# Allegro board AM335x_ICE_3H0013_PCB_REV_2_1A.brd (continued)
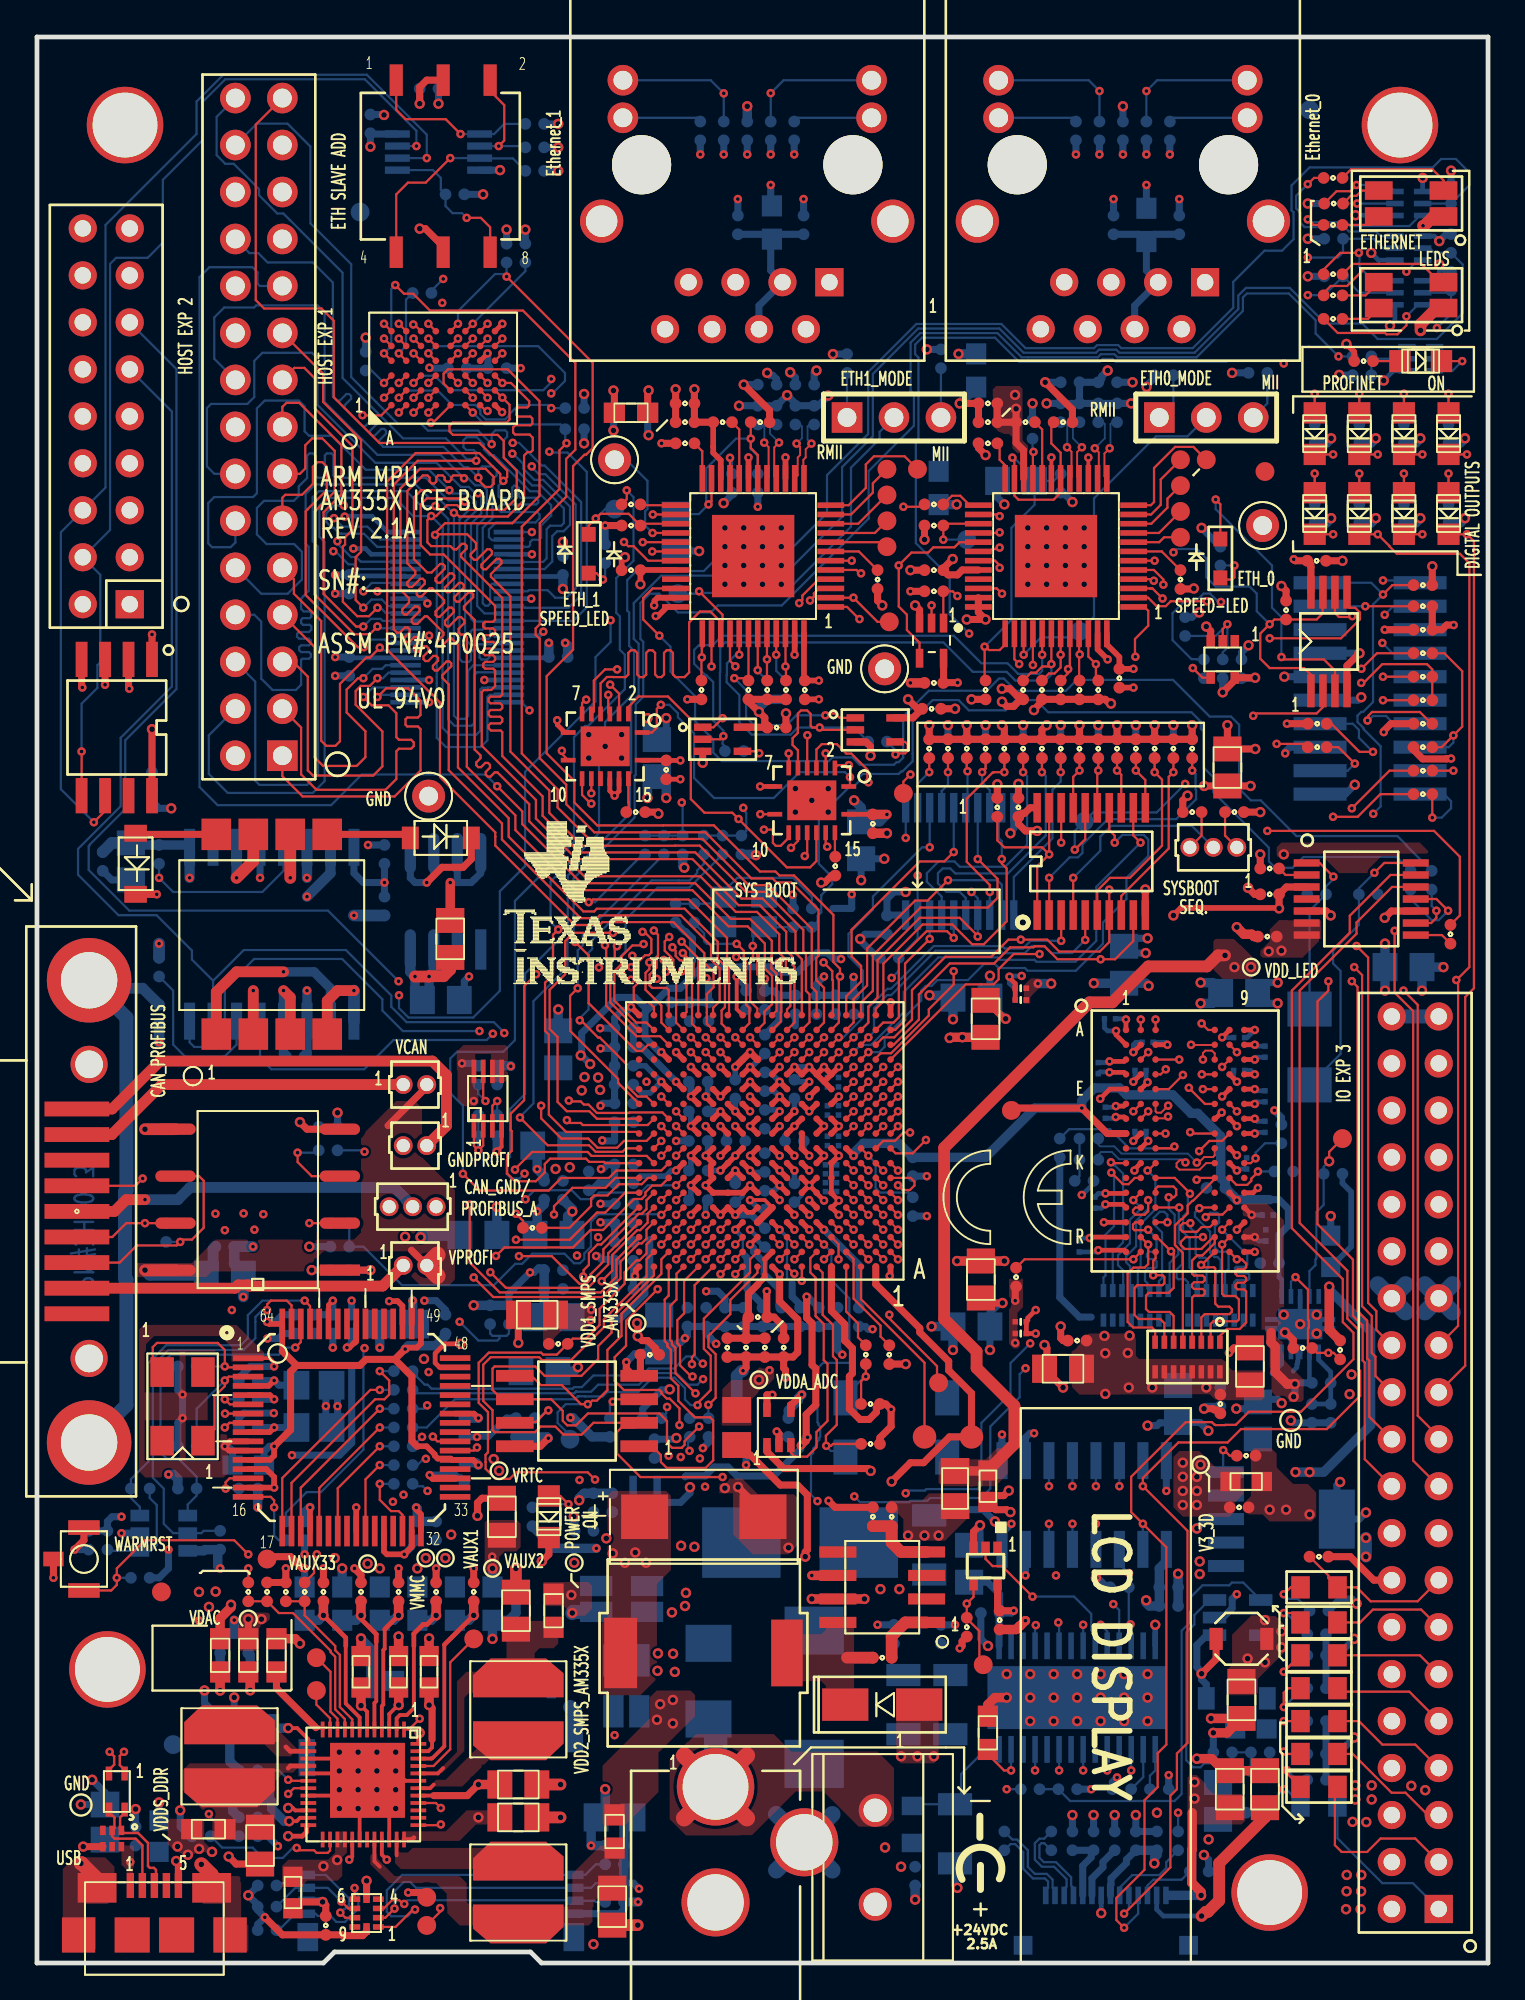
[diagram p0: board, top side]
## Routing (per net, layer and track width the routed paths; a pad name or vN(x,y) marks a point on that pad's centre or on a via; arc(x,y) is an arc through that point) (continued)
PGOOD_VTT: length 9.3
  TOP w0.121: TP22.1 69.89,43.86 v2(69.89,43.35)
  BOTTOM w0.121: v2(69.89,43.35) 69.6,43.05 R184.1 69.6,40.99 69.2,40.6 69.2,38.1 69.15,38.04 69.15,37.74 68.83,37.41 U29.9
PH: length 1.4
  TOP w0.635: C56.2 43.81,16.51
PMIC_I2C_SCL: length 10.1
  TOP w0.121: U22.9 16.65,13.19 16.13,13.72 16.13,16.56 15.88,16.81 15.88,16.88 13.84,18.92 13.08,18.92 R70.1 R69.1
PMIC_I2C_SDA: length 9
  TOP w0.121: R71.1 R72.1 14.48,18.8 16.13,17.14 16.13,16.91 16.38,16.66 16.38,13.84 17.05,13.17 U22.8
PMIC_INTN: length 8.6
  TOP w0.121: U22.45 21.45,10.65 22.35,11.56 22.35,16.26 TP27.1
PMIC_PWR_EN: length 48.6
  TOP w0.121: U22.1 20.12,12.63 v1(20.7,13.21) ; v1(42.57,38.85) U14.C6
  LYR3 w0.127: v1(31.24,12.32) 31.19,12.32 30.3,13.21 v1(20.7,13.21)
  LYR4 w0.127: v1(42.21,24.97) 39.5,22.26 39.5,16.86 34.95,12.32 v1(31.24,12.32)
  BOTTOM w0.121: v1(42.57,38.85) 42.97,38.45 42.97,36.92 43.94,35.94 43.94,33.41 44.19,33.15 44.19,32.63 44.01,32.45 42.52,32.45 42.22,32.15 42.22,29.23 42.27,29.18 42.27,29.1 42.37,29 42.37,28.45 42.31,28.4 42.31,28.29 42.19,28.17 42.19,28.04 42.17,28.02 42.17,28 41.98,27.81 41.98,27.76 41.98,27.58 41.87,27.46 41.87,25.32 v1(42.21,24.97)
PMIC_RESETOUTN: length 49.2
  TOP w0.121: U22.40 21.57,8.65 v1(21.84,8.38) ; U14.B15 v1(34.57,38.05)
  LYR3 w0.127: v1(34.57,38.05) 34.57,36.87 33.64,35.95 29.54,35.95 28.27,34.67 v1(22.86,34.67)
  LYR4 w0.127: v1(22.86,34.67) 22.44,34.25 22.44,33.28 22.87,32.85 22.87,22.72 22.71,22.56 22.71,17.21 20.03,14.54 20.03,13.75 20,13.72 20,10.22 v1(21.84,8.38)
  BOTTOM w0.121: R187.2 25.53,34.04 25.4,33.91 25.02,33.91 ; 25.02,33.91 24.64,33.91 24.51,34.04 C194.1 ; 25.02,33.91 25.02,33.78 24.9,33.66 23.88,33.66 v1(22.86,34.67)
PMIC_SLEEP: length 7.1
  TOP w0.121: v1(21.81,2.97) 21.83,2.97 21.83,2.79 21.08,2.04 TP31.1 ; U22.37 21.8,7.45 v1(21.84,7.49)
  LYR3 w0.127: v1(21.84,7.49) 21.83,7.48 21.83,4.66 21.84,4.64 21.84,3.01 v1(21.81,2.97)
PMICSR_I2C_SCL: length 2.4
  TOP w0.121: TP29.1 15.11,13.97 15.85,13.23 U22.11
PMICSR_I2C_SDA: length 4.4
  TOP w0.121: TP28.1 15.88,15.75 15.88,13.59 16.25,13.21 U22.10
PR1_MDIO_DATA: length 18.4
  TOP w0.121: v1(36.17,50.05) U14.T13
  LYR4 w0.127: v1(30.4,53.83) 30.44,53.79 30.44,53.64 31.76,52.31 32.46,52.31 33.85,50.92 35.38,50.92 35.99,50.31 35.99,50.23 v1(36.17,50.05)
  BOTTOM w0.121: R146.2 35.28,58.14 33.57,58.14 31.84,56.41 31.84,54.69 31.48,54.33 31.04,54.33 31.03,54.32 30.7,54.32 30.44,54.06 30.44,53.87 v1(30.4,53.83)
PR1_MDIO_MDCLK: length 16.8
  TOP w0.121: v1(29.84,57.36) 29.93,57.36 30.08,57.51 35.24,57.51 37.32,55.42 37.32,54.22 37.43,54.11 37.43,51.31 U14.V12
  BOTTOM w0.121: v1(29.84,57.36) 30.18,57.36 32.77,59.94 R150.2
PR1_MII0_RXLINK_SPEED: length 50
  TOP w0.121: v1(65.79,67.44) 65.91,67.56 69.22,67.56 69.56,67.91 U4.2 ; U14.V2 45.37,51.59 45.78,52 45.78,54.03 47.9,56.15 49.51,56.15 50.58,55.08 51.21,55.08 52.45,56.32 52.45,59.18 52.19,59.45 v1(52.19,59.69)
  LYR3 w0.127: v1(65.79,67.44) 64.4,66.05 64.4,63.98 58.62,58.2 58.62,55.83 57.95,55.16 57.95,54.1 57.7,53.85 53.91,53.85 52.45,55.31 52.45,59.43 v1(52.19,59.69)
  BOTTOM w0.121: v1(52.19,59.69) 52.19,60.66 52.02,60.82 52.02,62.3 U38.9
PR1_MII1_CLK: length 26.9
  TOP w0.121: v1(33.12,54.1) 33.12,53.75 32.92,53.54 32.92,52.62 33.77,51.77 33.77,50.85 U14.U16 ; v1(36.49,70.1) U2.38
  LYR4 w0.127: v1(33.12,54.1) 32.74,54.48 32.74,54.48 32.33,54.88 32.33,57.26 34.83,59.76 36.53,59.76 38.64,61.87 38.64,62.18 38.71,62.25 38.71,62.67 38.61,62.77 38.61,66.3 38.05,66.86 38.05,68.33 38.04,68.35 36.49,69.9 v1(36.49,70.1)
PR1_MII1_COL_RMII2_CRS_DV: length 19.6
  TOP w0.121: U9.9 28.39,65.38 v1(28.39,65.54) ; U14.T17 33.05,49.65 32.71,49.31 32.43,49.31 29.84,51.9 29.84,54.48 v1(29.11,55.21)
  LYR4 w0.127: v1(28.39,65.54) 28.39,56.67 29.11,55.95 v1(29.11,55.21)
PR1_MII1_CRS: length 39.7
  TOP w0.121: U2.40 37.49,70.4 v1(37.77,70.11) ; U9.10 29.48,63.16 29.81,62.83 29.84,62.83 v1(29.98,62.69) ; v1(42.57,49.25) U14.R6
  LYR3 w0.127: v1(37.77,70.11) 37.32,70.11 36.46,69.26 36.46,68.82 32.32,64.68 30.52,64.68 29.48,63.64 29.48,63.15 29.81,62.83 29.84,62.83 v1(29.98,62.69)
  LYR4 w0.127: v1(29.98,62.69) 29.99,62.68 29.99,62.29 30.29,61.99 30.29,54.59 31.23,53.65 31.23,53.3 31.93,52.6 32.53,52.6 33.99,51.15 41.23,51.15 42.18,50.2 42.18,49.89 42.57,49.49 v1(42.57,49.25)
PR1_MII1_RXD0: length 46.6
  TOP w0.121: v1(39.32,61.28) 39.72,61.28 39.81,61.2 39.81,60.56 39.96,60.4 40.22,60.4 40.66,60.84 U11.10 ; U2.43 v1(38.98,69.9) ; v1(33.37,55.82) 33.59,55.6 33.59,54.47 33.51,54.39 33.51,53.82 33.14,53.45 33.14,52.86 33.27,52.72 34.06,52.72 34.17,52.61 U14.V16
  LYR4 w0.127: v1(38.98,69.9) 38.98,71.35 38.8,71.54 38.59,71.54 38.46,71.4 38.46,69.55 38.6,69.41 40.05,69.41 40.2,69.25 40.2,69.03 40.02,68.85 38.61,68.85 38.46,68.7 38.46,68.44 38.65,68.24 39.8,68.24 40.02,68.03 40.02,67.33 39.8,67.11 38.84,67.11 38.7,66.97 38.7,66.75 38.88,66.58 39.38,66.58 39.57,66.39 39.57,65.03 39.39,64.85 39.12,64.85 39.02,64.75 39.02,64.44 39.12,64.34 39.39,64.34 39.54,64.19 39.54,62.29 39.54,62.29 39.54,61.5 v1(39.32,61.28) 38.15,60.11 38.15,59.87 38.45,59.57 38.45,59.37 37.96,58.88 37.81,58.88 37.42,59.27 37.26,59.27 37.15,59.16 37.15,59 37.54,58.61 37.54,58.45 37.42,58.34 37.27,58.34 36.88,58.73 36.72,58.73 36.61,58.62 36.61,58.46 37,58.07 37,57.92 36.89,57.8 36.73,57.8 36.34,58.19 36.18,58.19 36.07,58.08 36.07,57.92 36.46,57.53 36.46,57.38 36.2,57.12 35.71,57.12 35.52,57.31 35.52,58.14 35.41,58.25 35.15,58.25 35.04,58.14 35.04,57.23 34.88,57.08 34.61,57.08 34.6,57.07 34.57,57.07 34.33,57.31 34.17,57.31 34.06,57.2 34.06,57.04 34.24,56.86 34.24,56.71 34.13,56.59 33.97,56.59 33.79,56.77 33.63,56.77 33.52,56.66 33.52,56.5 33.7,56.32 33.7,56.17 33.4,55.86 33.4,55.85 v1(33.37,55.82)
  BOTTOM w0.121: R135.1 38.98,69.85 v1(38.98,69.9)
PR1_MII1_RXD1: length 49.2
  TOP w0.121: U9.6 30.12,67.67 30.12,69.34 30.73,69.95 v1(31.38,69.95) ; 39.49,70.49 v1(39.48,70.49) 39.49,70.49 ; 39.49,70.49 39.49,69.35 R28.1 ; 39.49,70.49 U2.44 ; v1(34.57,50.05) U14.T15
  LYR3 w0.127: v1(39.48,70.49) 39.48,71.01 39.22,71.27 34.98,71.27 34.83,71.12 34.83,70.17 34.68,70.02 34.47,70.02 34.32,70.17 34.32,71.12 34.17,71.27 33.96,71.27 33.81,71.12 33.81,70.17 33.67,70.02 33.45,70.02 33.31,70.17 33.31,71.12 33.16,71.27 32.95,71.27 32.8,71.12 32.8,70.17 32.65,70.02 32.44,70.02 32.29,70.17 32.29,71.12 32.14,71.27 31.84,71.27 31.38,70.81 v1(31.38,69.95)
  LYR4 w0.127: v1(31.38,69.95) 29.48,69.95 27.72,68.18 27.72,55.04 32.7,50.05 v1(34.57,50.05)
PR1_MII1_RXD2: length 44.6
  TOP w0.121: U14.U15 34.57,50.85 34.57,53.03 34.42,53.18 34.42,54.25 34.3,54.37 34.3,54.39 34.08,54.61 33.95,54.74 33.95,55.23 v1(34.2,55.48) ; U2.45 v1(39.98,70.74)
  LYR4 w0.127: v1(34.2,55.48) 34.22,55.5 34.38,55.5 34.66,55.78 34.97,55.78 35.08,55.89 35.08,56.2 35.19,56.32 35.35,56.32 35.46,56.2 35.46,55.89 35.57,55.78 35.98,55.78 39.98,59.78 39.98,60.73 40.36,61.11 40.36,61.62 40.48,61.74 40.99,61.74 41.08,61.65 41.08,61.38 41.17,61.29 41.54,61.29 41.68,61.43 41.68,62.43 41.25,62.86 40.54,62.86 40.36,63.04 40.36,63.87 40.48,63.99 41.55,63.99 41.66,64.1 41.66,64.34 41.53,64.48 40.46,64.48 40.36,64.58 40.36,64.86 40.46,64.96 40.98,64.96 41.23,65.21 41.23,66.06 40.96,66.33 40.07,66.33 39.95,66.45 39.95,66.73 39.96,66.73 40.15,66.92 40.8,66.92 40.92,66.81 41.75,66.81 41.88,66.93 41.88,67.19 41.77,67.3 41.11,67.3 41,67.41 41,67.57 41.11,67.68 41.9,67.68 42.01,67.79 42.01,67.95 41.92,68.04 40.56,68.04 40.45,68.15 40.45,68.31 40.56,68.42 41.64,68.42 41.77,68.55 41.77,68.71 41.66,68.82 40.67,68.82 40.59,68.91 40.59,69.12 40.67,69.2 41.66,69.2 41.77,69.32 41.77,69.58 41.67,69.68 40.31,69.68 39.98,70.01 v1(39.98,70.74)
  BOTTOM w0.121: R134.1 39.98,69.87 v1(39.98,70.74)
PR1_MII1_RXD3_RMII2_TXD0: length 19.9
  TOP w0.121: U14.V15 35.13,51.41 35.13,53.32 35.28,53.47 35.28,53.8 34.86,54.22 34.77,54.22 34.54,54.45 34.54,54.74 34.37,54.91 v1(34.37,54.92) ; v1(41.53,59.85) 41.66,59.99 U11.12
  LYR4 w0.127: v1(41.53,59.85) 41.51,59.84 41.51,59.51 39.41,57.4 39.41,57.24 39.81,56.83 39.81,56.67 39.7,56.56 39.55,56.56 39.13,56.98 38.98,56.98 38.87,56.86 38.87,56.7 39.28,56.29 39.28,56.13 39.16,56.02 39.01,56.02 38.59,56.44 38.44,56.44 38.33,56.33 38.33,56.16 38.74,55.75 38.74,55.6 38.62,55.48 38.47,55.48 38.05,55.9 37.9,55.9 36.15,54.15 34.71,54.15 34.52,54.35 34.52,54.77 34.37,54.92 v1(34.37,54.92)
PR1_MII1_RXDV_RMII2_RXD1: length 22.2
  TOP w0.121: v1(29.71,68.31) 29.67,68.31 29.48,68.13 U9.7 ; U14.T16 33.71,50.11 32.43,50.11 30.79,51.75 30.79,54.97 v1(30.72,55.03)
  LYR4 w0.127: v1(29.71,68.31) 30.31,67.7 30.31,66.23 30.26,66.18 30.26,65.45 30.73,64.98 30.73,55.32 30.72,55.31 v1(30.72,55.03)
PR1_MII1_RXER_RMII2_RXD0: length 16.9
  TOP w0.121: v1(32.75,55.75) 32.85,55.75 33.23,55.37 33.23,54.62 33.1,54.49 32.89,54.49 32.55,54.15 32.55,53.03 32.29,52.77 32.28,52.77 32.28,52.09 32.42,51.95 33.1,51.95 33.37,51.68 U14.V17 ; v1(39.12,62.12) 39.12,62.11 U11.9
  LYR4 w0.127: v1(32.75,55.75) 32.77,55.77 32.77,57.04 34.44,58.71 36.14,58.71 39.09,61.66 39.09,62.08 v1(39.12,62.12)
PR1_MII1_TXCLK_RMII2_TXEN: length 32.4
  TOP w0.121: U11.4 42.16,65.61 42.45,65.91 43.26,65.91 43.78,65.39 44.04,65.39 44.92,64.52 44.92,63.9 v1(44.97,63.84) ; v1(36.17,49.25) U14.R13
  LYR3 w0.127: v1(44.97,63.84) 44.92,63.78 44.92,62.36 43.43,60.87 43.43,58.77 42.08,57.42 42.08,53.24 42.46,52.87 42.71,52.87 44.19,51.39 45.13,50.44 45.36,50.21 45.36,49.89 45.13,49.66 44.02,49.66 43.76,49.4 43.76,49.09 43.53,48.86 38.73,48.86 38.41,48.86 38.3,48.97 37.41,48.97 37.3,48.86 36.81,48.86 36.41,49.25 v1(36.17,49.25)
PR1_MII1_TXD0_RMII2_TXD1: length 27.1
  TOP w0.121: v1(35.37,49.25) U14.R14 ; v1(30.9,68.57) 30.9,67.62 U9.4
  LYR4 w0.127: v1(30.9,68.57) 30.51,68.96 29.72,68.96 29.42,68.67 29.42,68.62 29.19,68.39 29.19,57.22 29.91,56.5 29.91,53.75 31.58,52.08 32.29,52.08 33.69,50.69 35.29,50.69 35.76,50.21 35.76,49.73 35.53,49.5 35.53,49.42 v1(35.37,49.25)
PR1_MII1_TXD1: length 54.2
  TOP w0.121: v1(41.23,73.53) 41.4,73.7 41.4,73.94 42.28,74.82 U2.4 ; v1(31,69.12) 31.48,68.64 U9.3 ; v1(35.37,50.05) U14.T14
  LYR3 w0.127: v1(41.23,73.53) 41.23,72.49 40.92,72.19 39.81,72.19 39.66,72.34 39.66,72.92 39.51,73.06 39.3,73.06 39.15,72.92 39.15,72.34 39,72.19 38.79,72.19 38.64,72.34 38.64,72.92 38.5,73.06 38.29,73.06 38.14,72.92 38.14,72.34 37.99,72.19 37.78,72.19 37.63,72.34 37.63,72.92 37.48,73.06 37.27,73.06 37.12,72.92 37.12,72.34 36.97,72.19 36.76,72.19 36.61,72.34 36.61,72.92 36.46,73.06 36.25,73.06 36.1,72.92 36.1,72.34 35.96,72.19 35.75,72.19 35.6,72.34 35.6,72.92 35.45,73.06 35.24,73.06 35.09,72.92 35.09,72.34 34.94,72.19 34.73,72.19 34.58,72.34 34.58,72.92 34.43,73.06 34.22,73.06 34.07,72.92 34.07,72.34 33.92,72.19 31.93,72.19 30.96,71.22 30.96,69.16 v1(31,69.12)
  LYR4 w0.127: v1(35.37,50.05) 34.98,50.44 32.79,50.44 29.59,53.65 29.59,53.7 29.53,53.76 29.53,56.34 28.81,57.06 28.81,66.1 28.7,66.21 28.34,66.21 28.23,66.32 28.23,66.48 28.34,66.59 28.7,66.59 28.81,66.7 28.81,67.58 28.7,67.69 28.43,67.69 28.31,67.8 28.31,67.96 28.43,68.07 28.7,68.07 28.81,68.18 28.81,68.74 29.64,69.57 30.76,69.57 31,69.32 v1(31,69.12)
PR1_MII1_TXD2: length 53
  TOP w0.121: U14.U14 35.43,50.79 35.43,53.3 35.51,53.38 35.51,54.04 v1(34.93,54.61) ; v1(44.57,75.14) 44.51,75.14 44.32,75.32 U2.5
  LYR4 w0.127: v1(34.93,54.61) 34.98,54.66 36,54.66 40.96,59.62 40.96,59.87 41.39,60.31 41.71,60.31 41.86,60.16 41.86,60.11 42.42,59.55 42.49,59.55 42.49,59.54 42.64,59.54 42.64,59.55 43.61,59.55 45.12,61.06 45.12,62.51 45.62,63.01 45.62,66.92 45.89,67.19 47.5,67.19 48.26,67.94 48.26,68.27 48.13,68.4 47.86,68.4 47.7,68.57 47.7,68.78 47.85,68.93 48.96,68.93 49.11,69.08 49.11,69.29 48.96,69.44 47.85,69.44 47.7,69.58 47.7,69.79 47.85,69.94 49.75,69.94 49.9,70.09 49.9,70.3 49.75,70.45 47.85,70.45 47.7,70.6 47.7,70.81 47.85,70.96 49.75,70.96 49.9,71.11 49.9,71.32 49.75,71.47 47.85,71.47 47.7,71.62 47.7,71.83 47.85,71.98 48.96,71.98 49.11,72.12 49.11,72.47 48.84,72.74 46.75,72.74 46.4,73.09 46.4,74.98 45.73,75.65 45.08,75.65 v1(44.57,75.14)
PR1_MII1_TXD3: length 52.3
  TOP w0.121: v1(34.87,55.22) 34.88,55.21 34.88,55.21 35.77,54.33 U14.V14 ; U2.6 v1(44.07,75.82)
  LYR4 w0.127: v1(34.87,55.22) 36.02,55.22 40.36,59.56 40.36,60.48 40.79,60.91 41.78,60.91 42.24,60.45 42.24,60.27 42.58,59.93 43.2,59.93 43.54,60.27 43.54,64.55 43.33,64.76 42.49,64.76 42.08,65.17 42.08,65.66 42.42,66 42.66,66 43.55,66.88 43.55,68.68 43.8,68.94 43.8,69.49 43.55,69.75 43.55,71.59 42.92,72.21 37.61,72.21 37.2,72.62 37.2,73.81 37.47,74.08 38.41,74.08 38.58,73.91 38.58,72.85 38.73,72.7 38.94,72.7 39.09,72.85 39.09,73.95 39.22,74.08 39.43,74.08 39.6,73.91 39.6,72.85 39.74,72.7 39.96,72.7 40.1,72.85 40.1,73.95 40.23,74.08 40.85,74.08 41.06,74.29 41.06,75.61 41.27,75.82 v1(44.07,75.82)
PR1_MII1_TXEN_RMII2_RXERR: length 24.5
  TOP w0.121: v1(32.81,55.1) 32.77,55.1 32.77,55.02 32.21,55.02 31.62,54.43 31.62,54.02 31.23,53.63 31.23,52.04 32.42,50.85 32.97,50.85 U14.U17 ; U11.7 v1(40.66,65.41)
  LYR4 w0.127: v1(40.66,65.41) 40.66,65.69 40.4,65.95 40.11,65.95 39.98,65.83 39.98,61.27 39.6,60.88 39.6,59.95 36.34,56.7 34.77,56.7 33.78,55.71 33.78,54.9 33.53,54.65 33.29,54.65 32.84,55.1 v1(32.81,55.1)
PR1_MII_CTL: length 50.1
  TOP w0.121: v1(54.75,59.94) 54.37,60.33 52.32,60.33 51.94,60.71 R278.2 ; v1(54.75,59.94) 54.1,59.29 U37.1 ; v1(54.75,59.94) U37.19 ; U14.J17 v1(33.77,44.45)
  LYR3 w0.127: v1(46.99,60.83) 46.99,59.45 v1(47.64,58.8) 48.4,59.56 49.8,59.56 50.69,60.45 54.24,60.45 v1(54.75,59.94)
  LYR4 w0.127: v1(33.77,44.45) 33.77,44.69 34.18,45.1 34.18,46.66 34.99,47.48 34.99,48.27 34.98,48.29 34.98,48.61 35.22,48.86 35.53,48.86 35.78,49.1 35.78,49.41 36.01,49.64 36.45,49.64 36.58,49.77 36.58,50.29 36.73,50.44 38.73,50.44 41.13,50.44 41.38,50.2 41.38,49.89 41.62,49.64 41.93,49.64 42.18,49.4 42.18,49.09 42.41,48.86 43.53,48.86 43.78,49.1 43.78,50.81 v1(46.23,53.26)
  BOTTOM w0.121: v1(46.23,53.26) 46.61,53.64 R277.2 47.64,55.38 U38.19 v1(47.64,58.8) ; v1(46.99,60.83) 46.99,62.46 U38.1
PROFI_GND: length 25.6
  TOP w0.584: J7.1 22.15,45.26 22.15,48.01 21.39,48.77 6.65,48.77 4.06,46.18 J9.5
PROFIBUS_A: length 31.5
  LYR3 w0.381: v1(17.91,60.45) 17.14,59.69 13.94,59.69 12.93,58.67 v1(12.06,58.67) 13.31,57.43 14.06,57.43 17.69,53.8 17.69,52.35 17.4,52.06 17.4,45.09 J8.1
  BOTTOM w0.381: U28.12 v1(12.06,58.67) ; R152.1 v1(17.91,60.45)
PROFIBUS_B: length 30.2
  TOP w0.121: J9.8 5.32,42.02 v1(5.71,42.42)
  LYR3 w0.127: v1(6.6,58.67) 7.02,58.25 7.02,43.73 v1(5.71,42.42)
  BOTTOM w0.121: R153.2 v1(6.6,58.67) 7.37,57.91 12.19,57.91 13.34,59.05 13.34,60.33
PRUETH0_ACTLED: length 36.1
  TOP w0.121: v1(52.07,78.23) 51.98,78.32 U3.26
  LYR3 w0.127: v1(52.07,78.23) 51.85,78.45 51.85,81.04 52.04,81.23 52.04,84.68 52.9,85.53 52.9,91.31 56.96,95.38 56.96,100.01 58.17,101.22 v1(60.01,101.22)
  BOTTOM w0.121: R92.1 v1(60.01,101.22) 60.59,101.8 J2.12
PRUETH0_COL: length 28.3
  TOP w0.121: U3.42 v1(54.87,70.23) 54.74,70.1 54.38,70.1 54.04,69.77 53.77,69.77 R30.1 ; v1(37.08,67.31) 36.59,66.82 U8.1
  BOTTOM w0.121: v1(54.87,70.23) 54.87,69.66 54.54,69.34 52.92,69.34 52.46,69.8 52.45,69.8 52.43,69.81 50.62,69.81 49.03,71.4 37.21,71.4 36.96,71.15 36.96,69.81 36.94,69.79 36.94,67.45 v1(37.08,67.31)
PRUETH0_CRS: length 66.6
  TOP w0.121: U14.V5 43.05,51.33 43.05,53.13 43.02,53.17 43.02,53.63 v1(42.55,54.1) ; v1(25.85,42.9) 25.87,42.9 25.87,42.95 26.78,43.85 29.78,43.85 30,43.64 32.98,43.64 U14.H17 ; v1(53.87,70.19) U3.40
  LYR3 w0.127: v1(25.85,42.9) 25.87,42.9 25.87,42.84 25.65,43.06 25.65,47.92 26.05,48.32 26.05,50.76 29.64,54.34 30.9,54.34 31.01,54.46 v1(32.2,54.46) ; v1(42.55,54.1) 42.55,55.67 45.05,58.17 45.05,61.81 46.74,63.5 48.3,63.5 48.81,64.01 48.81,68.91 50.46,70.57 51.24,70.57 51.84,71.16 53.54,71.16 53.87,70.83 v1(53.87,70.19)
  LYR4 w0.127: v1(32.2,54.46) 33.01,53.65 33.01,53.17 34.06,52.12 40.95,52.12 42.18,53.34 42.18,53.73 v1(42.55,54.1)
PRUETH0_INT: length 3
  TOP w0.121: U3.7 60.84,76.32 R19.1
PRUETH0_JTCK: length 2.6
  TOP w0.121: U3.8 60.7,76.82 60.96,77.09 TP15.1
PRUETH0_JTDI: length 6.6
  TOP w0.121: U3.12 60.25,78.82 60.42,78.99 60.42,80.84 61.56,81.98 62.55,81.98 TP7.1
PRUETH0_JTDO: length 3
  TOP w0.121: TP13.1 60.69,77.32 U3.9
PRUETH0_JTMS: length 3.7
  TOP w0.121: U3.10 60.27,77.82 61.14,78.69 61.14,79.18 TP11.1
PRUETH0_JTRSTN: length 4.6
  TOP w0.121: TP9.1 60.78,80.21 60.78,78.84 60.26,78.32 U3.11
PRUETH0_RESETN: length 28.6
  TOP w0.121: U5.4 47.74,71.39 47.05,72.07 47.05,72.9 46.61,73.35 46.61,75.56 v1(46.61,75.56) 46.61,75.57 46.61,75.57 47.3,76.26 48.2,76.26 48.48,76.55 49.62,76.55 49.9,76.82 U3.29 ; U2.29 v1(32.77,76.82)
  LYR4 w0.127: v1(32.77,76.82) 33.69,76.82 36.27,79.41 42.76,79.41 v1(46.61,75.56)
PRUETH0_RXCLK: length 28.2
  TOP w0.121: U14.V4 43.77,52.27 44.58,53.07 44.58,53.91 44.06,54.43 44.06,55.87 47.75,59.56 49.08,59.56 v1(49.59,60.07) ; U3.38 52.87,70.49 v1(53.13,70.24)
  LYR3 w0.127: v1(49.59,60.07) 49.59,60.47 52.62,63.5 52.62,63.95 52.87,64.2 52.87,69.98 v1(53.13,70.24)
  BOTTOM w0.121: U38.5 v1(49.59,60.07)
PRUETH0_RXD0: length 72
  TOP w0.121: v1(49.28,58.55) 48.17,57.45 47.5,57.45 44.9,54.85 44.9,52.85 44.17,52.12 44.17,50.85 U14.U4 ; R31.1 54.74,69.72 55.04,69.72 55.37,70.05 v1(55.37,70.74) U3.43 ; v1(33.77,46.85) U14.M16
  LYR3 w0.127: v1(33.77,46.85) 32.78,46.85 32.51,47.12 32.51,48.51 32.64,48.64 34.52,48.64 34.96,49.09 34.96,52.62 34.5,53.09 34.5,53.76 34.03,54.23 v1(33.9,54.23)
  LYR4 w0.127: v1(33.9,54.23) 33.94,54.23 34.42,53.76 34.42,53.55 35.14,52.83 38.22,52.83 39.09,53.71 39.94,53.71 39.95,53.7 40.51,53.7 43.61,56.81 47.54,56.81 v1(49.28,58.55) 47.83,59.99 47.83,63.1 48.61,63.88 50.97,63.88 51.59,63.26 52.14,63.26 52.58,63.7 52.58,64.01 52.83,64.26 52.83,64.76 52.68,64.91 50.95,64.91 50.8,65.06 50.8,66.16 50.95,66.31 52.68,66.31 52.83,66.46 52.83,68.83 53.47,69.47 54.83,69.47 55.32,69.96 55.32,70.69 v1(55.37,70.74)
  BOTTOM w0.121: U38.12 52.19,58.31 51.95,58.55 v1(49.28,58.55)
PRUETH0_RXD1: length 74.4
  TOP w0.121: U14.U3 44.97,50.85 44.97,51.72 45.47,52.21 45.47,54.23 47.75,56.52 49.91,56.52 50.89,55.54 v1(50.89,55.5) ; U3.44 55.87,70.06 v1(55.77,69.96) 55.77,69.74 R32.1 ; v1(34.57,46.05) U14.L15
  LYR3 w0.127: v1(34.57,46.05) 34.27,46.05 33.87,45.64 31.83,45.64 31.56,45.38 29.45,45.38 28.84,45.99 28.51,45.99 28.28,46.22 28.28,48.7 28.81,49.23 28.9,49.23 29.21,49.53 29.37,49.53 29.38,49.54 30.01,49.54 31.27,50.8 31.8,50.8 34.02,53.02 v1(34.02,53.59)
  LYR4 w0.127: v1(55.77,69.96) 55.77,68.35 55.48,68.06 54.27,68.06 54.01,68.33 53.67,68.33 53.45,68.11 53.45,67.55 53.85,67.16 53.85,63.85 52.86,62.87 50.15,62.87 50.04,62.98 49.12,62.98 48.7,62.56 48.7,61.86 49.27,61.28 50.23,61.28 50.39,61.12 50.39,58.07 v1(50.55,57.91) 48.77,56.14 43.48,56.14 41.36,54.02 41.36,53.18 40.79,52.6 35.01,52.6 v1(34.02,53.59)
  BOTTOM w0.121: v1(50.89,55.5) U38.14 50.89,57.57 v1(50.55,57.91)
PRUETH0_RXD2: length 38.2
  TOP w0.121: R33.1 56.37,69.36 56.37,70.72 v1(56.4,70.75) 56.37,70.79 U3.45 ; v1(49.59,55.43) 49.23,55.79 48.11,55.79 46.62,54.29 46.62,51.13 46.34,50.85 45.77,50.85 U14.U2
  LYR4 w0.127: v1(56.4,70.75) 56.4,68.05 55.92,67.56 55.92,66.38 55.77,66.23 55.27,66.23 55.12,66.08 55.12,65.87 55.27,65.72 55.77,65.72 55.92,65.57 55.92,63.9 56.19,63.63 56.19,63.05 55.65,62.5 54.89,62.5 54.74,62.65 54.74,63.74 54.59,63.89 54.38,63.89 54.23,63.74 54.23,62.65 53.93,62.36 52.18,62.36 51.77,61.95 51.77,59.52 52.94,58.34 52.94,57.29 52.69,57.04 50.94,57.04 49.59,55.68 v1(49.59,55.43)
  BOTTOM w0.121: U38.16 v1(49.59,55.43)
PRUETH0_RXD3: length 37.5
  TOP w0.121: U3.46 56.87,70.64 v1(57.28,70.23) 57.28,69.47 R34.1 ; v1(48.29,55.37) 46.95,54.04 46.95,50.99 46.42,50.45 U14.U1
  LYR4 w0.127: v1(57.28,70.23) 56.93,69.89 56.93,62.51 56.24,61.82 55.48,61.82 55.33,61.67 55.33,61.24 55.18,61.09 54.97,61.09 54.82,61.24 54.82,61.67 54.67,61.82 53.98,61.82 53.21,61.06 53.21,59.82 53.51,59.52 55.16,59.52 55.5,59.18 55.5,56.89 55.25,56.64 51.44,56.64 49.8,55.01 48.65,55.01 v1(48.29,55.37)
  BOTTOM w0.121: U38.18 v1(48.29,55.37)
PRUETH0_RXDV: length 66.2
  TOP w0.121: U3.39 v1(53.37,70.74) ; v1(43.37,50.05) U14.T5
  LYR3 w0.127: v1(48.29,60.33) 48.29,62.64 48.51,62.87 48.78,62.87 48.92,62.72 48.92,61.41 49.07,61.26 49.28,61.26 49.43,61.41 49.43,62.72 49.58,62.87 49.91,62.87 50.06,63.01 50.06,63.86 50.21,64.01 50.42,64.01 50.57,63.86 50.57,63.01 50.72,62.87 51.21,62.87 51.48,63.13 51.48,63.93 51.54,63.99 51.54,64.9 51.39,65.05 49.68,65.05 49.56,65.18 49.56,65.37 49.72,65.52 52.16,65.52 52.28,65.65 52.28,65.89 52.16,66.02 49.56,66.02 49.48,66.1 49.48,66.31 49.62,66.45 50.66,66.45 50.84,66.63 50.84,67.12 51.15,67.43 51.15,67.73 51.3,67.88 51.54,67.88 51.69,68.03 51.69,68.24 51.56,68.37 51.12,68.37 51.02,68.48 51.02,68.52 50.97,68.56 50.97,68.73 51.12,68.88 51.52,68.88 51.69,69.05 51.69,69.26 51.54,69.41 51.3,69.41 51.15,69.56 51.15,69.88 52,70.74 v1(53.37,70.74)
  BOTTOM w0.121: J18.2 62.23,82.55 60.52,82.55 57.17,79.2 57.17,72.79 TP35.1 56.06,71.68 54.31,71.68 v1(53.37,70.74) ; U38.3 v1(48.29,60.33) 47.88,60.33 45.22,57.66 45.22,56.96 43.9,55.64 43.9,54.44 44.68,53.66 44.68,51.11 43.62,50.05 v1(43.37,50.05)
PRUETH0_RXERR: length 65.2
  TOP w0.121: v1(34.57,43.65) U14.J15 ; v1(37.13,66.34) 36.96,66.17 U8.2 ; U3.41 v1(54.37,70.74)
  LYR3 w0.127: v1(34.57,43.65) 34.18,44.04 34.18,44.6 33.92,44.86 33.61,44.86 33.59,44.87 30.38,44.87 30.02,44.51 28.52,44.51 28.16,44.87 26.85,46.18 26.85,49.16 29.06,51.38 29.53,51.38 v1(31.62,53.47)
  LYR4 w0.127: v1(37.13,66.34) 37.34,66.12 37.34,62.27 35.66,60.59 34.11,60.59 31.95,58.43 31.95,54.97 31.58,54.6 31.58,53.51 v1(31.62,53.47)
  BOTTOM w0.121: R139.2 37.21,65.79 37.08,65.91 37.08,66.29 v1(37.13,66.34) 37.13,66.63 36.58,67.18 36.58,69.27 36.2,69.64 36.15,69.64 35.54,70.25 35.54,71 35.8,71.26 36.55,71.26 37.06,71.76 41,71.76 49.59,71.76 51.08,70.28 52.49,70.28 53.07,69.7 54.21,69.7 54.37,69.86 v1(54.37,70.74)
PRUETH0_RXERR_COL: length 42.8
  TOP w0.121: U4.6 70.21,72.99 70.42,72.78 71.1,72.78 v1(71.14,72.83) ; v1(39.07,65.41) 38.96,65.52 U8.4
  LYR3 w0.127: v1(71.14,72.83) 71.03,72.94 69.55,72.94 65.75,76.75 59.5,76.75 54.61,71.85 51.18,71.85 47.59,68.26 47.59,68.13 45.2,65.75 44.89,65.75 44.55,65.41 43.53,65.41 43.11,64.99 39.49,64.99 v1(39.07,65.41)
  BOTTOM w0.121: v1(39.07,65.41) 38.95,65.53 R139.1
PRUETH0_RXERR_COL_PROC: length 64.2
  TOP w0.121: U4.5 70.86,73.41 70.99,73.28 71.3,73.28 71.56,73.02 71.56,72.65 70.53,71.63 v1(66.67,71.63) ; v1(50.89,59.69) 51.95,58.62 51.95,57.59 51.44,57.07 47.79,57.07 45.21,54.49 45.21,52.57 44.57,51.93 U14.V3
  LYR3 w0.127: v1(66.67,71.63) 65.49,72.81 64.22,72.81 63.72,72.31 63.72,72.07 63.44,71.79 62.82,71.79 62.45,71.42 62.45,71.07 64.84,68.68 65.14,68.68 66.21,67.61 66.21,67.26 65.38,66.44 65.38,64.42 59,58.04 59,55.67 58.33,55 58.33,53.94 57.86,53.47 53.75,53.47 50.99,56.24 50.99,59.59 v1(50.89,59.69)
  BOTTOM w0.121: U38.7 v1(50.89,59.69)
PRUETH0_SPEEDLED: length 36.4
  TOP w0.121: D4.1 64.01,78.88 v1(63.75,79.13) ; U4.3 70.21,69.89 69.61,70.48 67.44,70.48 v1(67.31,70.61) ; U3.27 49.12,77.82 R16.1 v1(49.02,76.96)
  LYR4 w0.127: v1(49.02,76.96) 51.52,79.46 63.42,79.46 v1(63.75,79.13)
  BOTTOM w0.121: TP34.1 v1(49.02,76.96) ; v1(63.75,79.13) 63.75,78.61 66.8,75.56 66.8,73.28 67.31,72.77 v1(67.31,70.61)
PRUETH0_SWSTRAP: length 2.2
  TOP w0.121: v1(53.9,81.71) 53.87,81.68 U3.21
  BOTTOM w0.121: R124.1 53.85,81.76 v1(53.9,81.71)
PRUETH0_TXCLK: length 34.6
  TOP w0.121: U37.18 v1(55.4,60.58) ; v1(59.41,70.63) 59.39,70.65 59.39,71.59 60.11,72.31 60.11,73.11 59.9,73.32 U3.1 ; U14.R1 50.23,52.91 51.05,52.91 51.06,52.92 51.74,52.92 52.01,53.19 52.01,53.74 52.83,54.56 v1(54.23,54.56)
  LYR3 w0.127: v1(54.23,54.56) 54.98,55.31 54.98,57.4 55.4,57.82 v1(55.4,60.58) 55.84,61.02 55.84,67.1 59.39,70.65 59.39,70.63 v1(59.41,70.63)
PRUETH0_TXD0: length 86.6
  TOP w0.121: U14.T2 45.77,50.05 46.37,50.05 47.33,51.01 47.33,52.6 49.13,54.41 51.62,54.41 52.54,55.33 v1(53.21,55.33) 54.65,55.33 55.29,54.69 57.48,54.69 58,55.2 U37.7 v1(58,58.04) ; U3.3 60.23,74.32 60.23,74.32 60.25,74.32 60.34,74.32 v1(60.88,73.78) ; v1(27.27,46.35) 27.27,45.67 28.36,44.58 29.83,44.58 30.32,44.08 31.38,44.08 31.75,44.45 32.97,44.45 U14.K17
  LYR3 w0.127: v1(27.27,46.35) 27.27,46.94 27.27,46.94 27.27,49.04 28.62,50.4 29.37,50.4 32.13,53.15 v1(32.13,53.16) ; v1(58,58.04) 58,58.08 57.4,58.67 57.4,61.72 58.94,63.26 58.94,68.31 59.17,68.54 59.96,68.54 60.69,69.27 60.69,72.78 60.11,73.37 59.62,73.37 59.47,73.22 59.47,72.41 59.32,72.26 59.11,72.26 58.96,72.41 58.96,73.22 58.81,73.37 58.47,73.37 58.29,73.54 58.29,74.03 58.53,74.27 60.38,74.27 60.87,73.78 v1(60.88,73.78)
  LYR4 w0.127: v1(53.21,55.33) 52.52,55.33 50.4,53.21 48.56,53.21 47.88,53.89 45.89,53.89 43.66,51.66 33.81,51.66 32.31,53.16 v1(32.13,53.16)
PRUETH0_TXD1: length 93.1
  TOP w0.121: v1(33.77,45.25) U14.K16 ; v1(60.41,74.74) 60.32,74.82 U3.4 ; U37.9 59.3,55.26 58.32,54.27 v1(57.53,54.27) 55.2,54.27 54.5,54.97 53.96,54.97 53.9,54.92 52.64,54.92 51.77,54.04 49.37,54.04 47.83,52.51 47.7,52.37 47.7,51.01 46.34,49.65 U14.T1
  LYR3 w0.127: v1(57.53,54.27) 57.28,54.53 57.28,57.15 56.86,57.57 56.86,67.56 58.68,69.38 59.37,69.38 60.09,70.11 60.09,71.03 59.88,71.25 58.04,71.25 57.66,71.63 57.66,72 57.51,72.15 56.54,72.15 56.39,72.3 56.39,72.51 56.54,72.66 57.51,72.66 57.66,72.81 57.66,74.17 58.23,74.74 v1(60.41,74.74) ; v1(33.53,53.21) 32.45,52.13 31.49,52.13 29.37,50.02 28.83,50.02 27.9,49.08 27.9,45.67 28.42,45.15 33.67,45.15 v1(33.77,45.25)
  LYR4 w0.127: v1(57.53,54.27) 57.16,54.64 55.41,54.64 53.92,56.13 52.25,56.13 50.74,54.63 43.71,54.63 43.66,54.68 42.57,54.68 41.66,53.77 41.66,53.15 40.86,52.35 34.39,52.35 v1(33.53,53.21)
